# KiCad board Keyboard.kicad_pcb (continued)
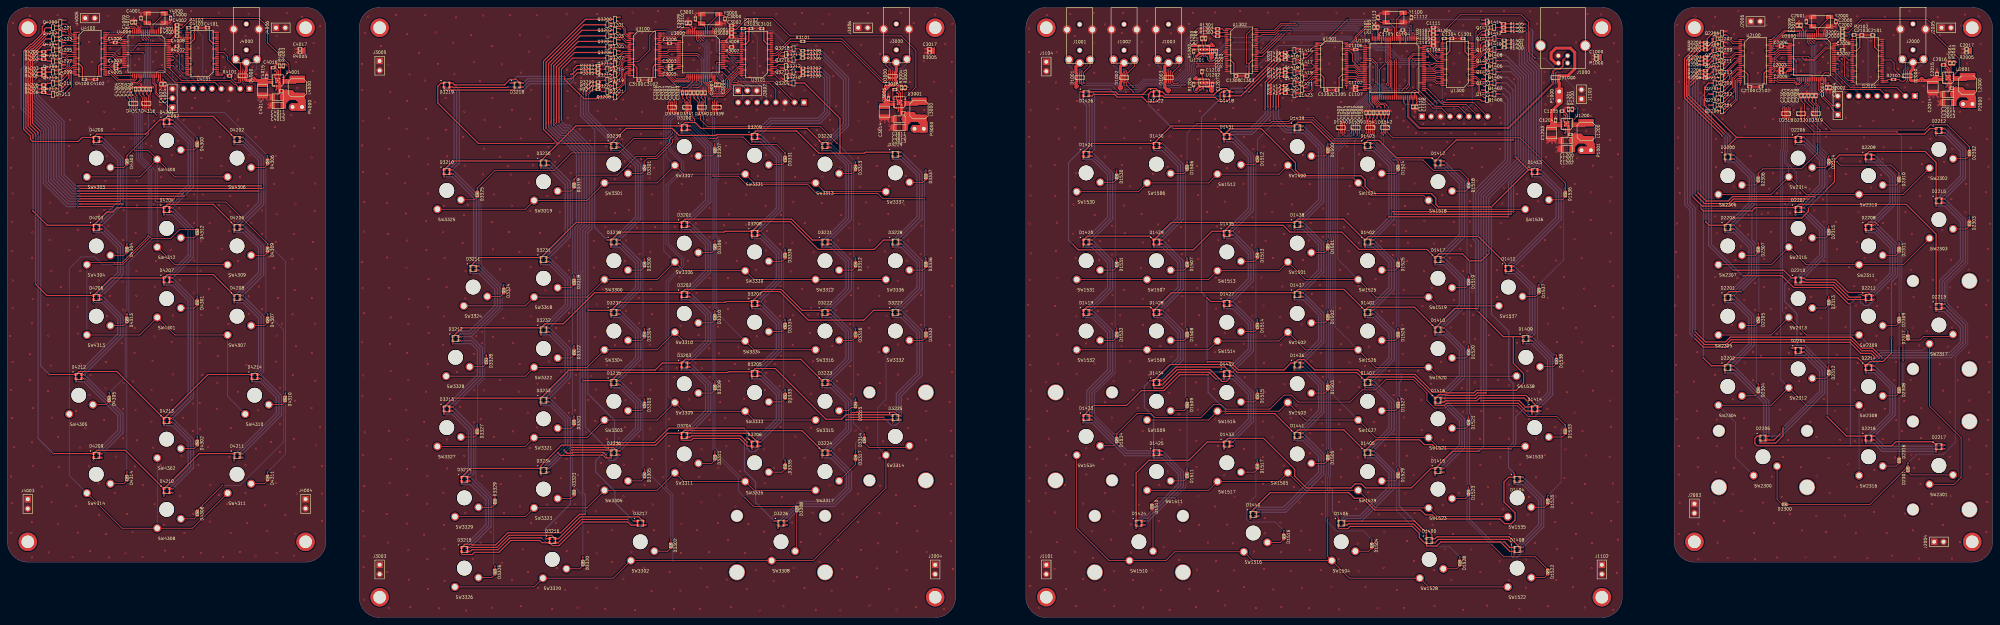
[diagram p0: board, top side]
## Routing (per net, layer and track width the routed paths; a pad name or vN(x,y) marks a point on that pad's centre or on a via; arc(x,y) is an arc through that point) (continued)
/Keyboard-Left/LedMatrix-Left/LR12: length 9.3
  Top w0.2: U3100.22 167.1,147.55 166.55,147 166.55,144.3 164.05,141.8 Q3221.1
/Keyboard-Left/LedMatrix-Left/LR12_X3: length 244.6
  Top w0.3: v1(146.35,97.35) D3231.2 ; v1(165.35,102.1) D3238.2 ; v1(146.35,59.35) D3233.2 ; R3211.1 158,142.8 v1(156.9,141.7) ; v1(152,46) 163.6,46 D3236.2 v1(165.35,45.1) ; v1(146.35,123.47) D3230.2 ; v1(165.35,64.1) D3235.2 ; v1(146.35,40.35) D3234.2 ; v1(146.35,78.35) D3232.2 ; v1(165.35,128.22) D3239.2 ; v1(165.35,83.1) D3237.2
  Bottom w0.3: v1(146.35,40.35) v1(152,46) 152,53.7 v1(146.35,59.35) 152,65 152,72.7 v1(146.35,78.35) 152,84 152,91.7 v1(146.35,97.35) 152,103 152,117.83 v1(146.35,123.47) ; v1(156.9,141.7) 156.9,136.57 165.25,128.22 v1(165.35,128.22) 171,122.58 171,107.75 v1(165.35,102.1) 171,96.45 171,88.75 v1(165.35,83.1) 171,77.45 171,69.75 v1(165.35,64.1) 171,58.45 171,50.75 v1(165.35,45.1)
/Keyboard-Left/SHIELD_3: length 622
  Top w0.2: 249.5,152.77 249.52,152.75 ; 250.25,153.23 v2(250.27,153.25)
  Top w0.4: C3017.1 250.02,153.75 v2(250.27,154) v2(250.27,152.5) 250.02,152.75 249.52,152.75 249.77,152.75 250.02,153 ; C3017.1 249.5,152.77 ; C3017.1 249.5,153.52 250.02,153 ; C3017.1 249.77,153.75 v2(250.27,153.25) 250.02,153
  In2.Cu w0.2: 160,159.5 X3000.1 98.5,157.5 98.5,7.5 X3003.1 X3002.1 253,8 253,149.77 v2(250.27,152.5) v2(250.27,154) 250.27,159.27 X3001.1 247.5,162.5 185,162.5 184.5,163 163.5,163 160,159.5
/Keyboard-Navblock/CPU-Navblock/JTAG_RST: length 12.5
  Top w0.2: U4000.56 v2(44.65,152.25)
  Bottom w0.2: v2(44.65,152.25) 44.65,151.7 44.1,151.15 44.1,148.15 44.67,147.57 44.67,145.18 46.85,143 J4001.8
/Keyboard-Navblock/CPU-Navblock/JTAG_TCK: length 21.7
  Top w0.2: J4001.2 61.74,144.1 61.3,144.1 60.2,145.2 47.05,145.2 U4000.49
/Keyboard-Navblock/CPU-Navblock/JTAG_TDI: length 9.7
  Top w0.2: U4000.50 v2(44.7,149.25)
  Bottom w0.2: v2(44.7,149.25) 50.15,143.8 50.15,143
/Keyboard-Navblock/CPU-Navblock/JTAG_TDO: length 13.3
  Top w0.2: U4000.55 44.75,151.75 v2(45.1,151.4)
  Bottom w0.2: J4001.6 48.55,147.13 48.55,147.95 v2(45.1,151.4)
/Keyboard-Navblock/CPU-Navblock/JTAG_TMS: length 20.7
  Top w0.2: 40.3,146.5 40.3,147.5 40.8,148 42.05,148 45.3,144.75 56.01,144.75 J4001.4
/Keyboard-Navblock/CPU-Navblock/LC1: length 10.1
  Top w0.2: 26.55,157.75 30.44,157.75 32.44,159.75 34.3,159.75 34.8,159.25 U4000.14
/Keyboard-Navblock/CPU-Navblock/LC2: length 9.7
  Top w0.2: U4000.15 34.3,159.18 34.13,159.35 32.65,159.35 30.55,157.25 26.3,157.25
/Keyboard-Navblock/CPU-Navblock/LC3: length 8.4
  Top w0.2: U4000.16 32.5,158.45 30.85,156.8 27.52,156.8 26.97,156.25 26.3,156.25
/Keyboard-Navblock/CPU-Navblock/LC4: length 5.5
  Top w0.2: U4000.17 27.54,156.25 27.04,155.75 26.3,155.75
/Keyboard-Navblock/CPU-Navblock/LC5: length 5.2
  Top w0.2: U4000.20 U4100.41
/Keyboard-Navblock/CPU-Navblock/LR1: length 5.5
  Top w0.2: 26.55,152.75 28.8,152.75 29.8,151.75 U4000.26
/Keyboard-Navblock/CPU-Navblock/LR2: length 5.5
  Top w0.2: 26.55,152.25 28.55,152.25 29.55,151.25 U4000.27
/Keyboard-Navblock/CPU-Navblock/LR3: length 5.5
  Top w0.2: 26.55,151.75 28.3,151.75 29.3,150.75 U4000.28
/Keyboard-Navblock/CPU-Navblock/LR4: length 18.8
  Top w0.2: U4000.61 35.85,154.75 v2(35.8,154.7) ; 26.4,150.75 27.3,150.75 v2(27.6,151.05)
  Bottom w0.2: v2(35.8,154.7) 31.25,154.7 v2(27.6,151.05)
/Keyboard-Navblock/CPU-Navblock/LR5: length 19.2
  Top w0.2: U4100.32 27.5,150.25 v2(27.6,150.35) ; v2(34.3,154.05) 35.5,155.25 U4000.62
  Bottom w0.2: v2(27.6,150.35) 30.6,150.35 v2(34.3,154.05)
/Keyboard-Navblock/CPU-Navblock/LR6: length 5.5
  Top w0.2: 26.55,149.25 27.41,149.25 28.41,150.25 U4000.29
/Keyboard-Navblock/CPU-Navblock/LR7: length 8.2
  Top w0.2: 26.55,148.75 27.41,148.75 29.61,146.55 U4000.33
/Keyboard-Navblock/CPU-Navblock/LR8: length 9.8
  Top w0.2: 26.3,147.75 27.8,147.75 30.05,145.5 34.05,145.5 34.3,145.75 U4000.34
/Keyboard-Navblock/CPU-Navblock/LR9: length 10.5
  Top w0.2: U4000.35 34.8,145.6 34.3,145.1 29.7,145.1 27.55,147.25 26.3,147.25
/Keyboard-Navblock/CPU-Navblock/LV_EN: length 55.7
  Top w0.2: v2(45.1,152.75) U4000.57 ; v2(27.4,146.65) 26.4,146.65 26.35,146.7 ; R4102.2 48.47,158.28 U4101.25 v2(49.6,158.25) ; v2(27.55,158.25) U4100.48 ; v2(49.7,146.75) U4101.48
  Bottom w0.2: 48.5,152.75 48.5,150.95 48.95,150.5 48.95,147.5 v2(49.7,146.75) ; 48.5,152.75 v2(45.1,152.75) 39.6,158.25 v2(27.55,158.25) 26.25,156.95 26.25,147.8 v2(27.4,146.65) ; 48.5,152.75 48.5,157.15 v2(49.6,158.25)
/Keyboard-Navblock/CPU-Navblock/nRST: length 34.9
  Top w0.2: C4002.2 R4001.2 R4000.2 45.3,158.75 v2(44.75,158.75) 43.05,158.75 41.55,157.25 38.7,157.25 38.3,157.65 U4000.7
  Bottom w0.2: J4001.5 52.75,145.47 52.75,157.15 51.15,158.75 v2(44.75,158.75)
/Keyboard-Navblock/CPU-Navblock/PG: length 42.8
  Top w0.2: U4001.4 76,147.5 76,149.65 70.25,155.4 70.25,159.75 68,162 49.75,162 47,159.25 R4001.1
/Keyboard-Navblock/CPU-Navblock/UART6_RX4: length 9.7
  Top w0.2: U4000.45 39.8,144.5 40.3,144 40.3,141.9 41.76,140.44 J4002.2
/Keyboard-Navblock/CPU-Navblock/UART6_TX4: length 11.3
  Top w0.2: U4000.44 39.3,144.4 39.9,143.8 39.9,141.7 43.7,137.9 J4002.1
/Keyboard-Navblock/CPU-Navblock/USART1_RX: length 5.4
  Top w0.2: U4000.59 45.45,153.75 46.45,152.75 U4101.36
/Keyboard-Navblock/CPU-Navblock/USART1_TX: length 9.8
  Top w0.2: U4000.58 45.35,153.25 46.4,152.2 46.4,148.2 47.35,147.25 U4101.47
/Keyboard-Navblock/KeyMatrix-Navblock/KC1: length 122.4
  Top w0.2: v2(34.4,126.25) 38.13,126.25 SW4300.1 ; SW4300.1 35.71,119.17 SW4303.1 ; SW4300.1 45.21,119.17 SW4306.1 ; v2(32.9,137.6) 33,137.7 D4317.1 D4317.10 33,140.2 v2(32.5,140.7) ; SW4309.1 45.21,95.42 SW4312.1 ; v2(33.3,151.9) 32.95,152.25 U4000.25
  Bottom w0.2: v2(32.9,137.6) 32.9,136.95 34.4,135.45 v2(34.4,126.25) ; v2(32.5,140.7) 33.3,141.5 v2(33.3,151.9) ; SW4312.1 SW4300.1
/Keyboard-Navblock/KeyMatrix-Navblock/KC2: length 151.7
  Top w0.2: v2(33.5,137.1) 33.4,137.2 33.4,137.8 33.5,137.9 D4317.2 D4317.9 33.5,140.2 33.4,140.3 33.4,141.3 32.9,141.8 32.9,143.9 33.7,144.7 35.1,144.7 35.8,145.4 U4000.37 ; v2(38,103.25) 38,103.05 31,96.05 22.09,96.05 SW4304.1 ; SW4313.1 35.71,76.42 SW4301.1 45.21,76.42 SW4307.1
  Bottom w0.2: SW4307.1 59.46,59.79 SW4310.1 ; v2(38,103.25) 38,120.75 34.9,123.85 34.9,135.7 v2(33.5,137.1) ; SW4304.1 SW4313.1
/Keyboard-Navblock/KeyMatrix-Navblock/KC3: length 202.6
  Top w0.2: v2(34.5,137.1) 34.6,137.2 34.6,137.8 34.5,137.9 D4317.4 D4317.7 34.5,140.1 34.6,140.2 34.6,140.7 33.3,142 33.3,143.7 33.9,144.3 35.3,144.3 36.3,145.3 U4000.38 ; SW4311.1 49.96,24.17 SW4308.1 30.96,24.17 SW4314.1 ; v2(28.9,95.55) 31.2,95.55 v2(38.5,102.85)
  Bottom w0.2: SW4314.1 16.71,38.42 SW4305.1 16.71,94.36 19.9,97.55 23.6,97.55 25.6,95.55 v2(28.9,95.55) ; v2(38.5,102.85) 38.5,120.95 35.4,124.05 35.4,136.2 v2(34.5,137.1) ; SW4302.1 SW4308.1
/Keyboard-Navblock/KeyMatrix-Navblock/KR1: length 121.6
  Top w0.2: U4000.8 37.8,157.35 v2(38.3,156.85) ; v2(51.25,86.9) D4301.1 ; 38.6,142.35 v2(38.6,141.55) 38.5,141.45 D4316.6 D4316.5 38.5,137.7 v2(40.25,135.95) ; D4302.1 v2(51.25,48.9) ; v2(51.25,129.65) D4300.1
  Bottom w0.2: v2(40.25,135.95) 44.95,135.95 v2(51.25,129.65) v2(51.25,86.9) v2(51.25,48.9) ; v2(38.3,156.85) 38.6,156.55 v2(38.6,141.55)
/Keyboard-Navblock/KeyMatrix-Navblock/KR2: length 106.6
  Top w0.2: v2(27.5,60.8) D4305.1 ; v2(38.1,156.25) 37.3,157.05 U4000.9 ; v2(38.1,137.1) 38.1,137.9 38,138 D4316.4 D4316.7 38,140.2 38.1,140.3 38.1,141.05 v2(37.6,141.55) 37.6,142.35 ; D4303.1 v2(32.25,124.9) v2(38.1,130.75) ; v2(32.25,101.15) D4304.1
  Bottom w0.2: v2(32.25,124.9) v2(32.25,101.15) 32.25,83.35 31.8,82.9 31.8,65.1 v2(27.5,60.8) ; v2(38.1,156.25) 38.2,156.15 38.2,142.15 v2(37.6,141.55) ; v2(38.1,137.1) v2(38.1,130.75)
/Keyboard-Navblock/KeyMatrix-Navblock/KR3: length 174
  Top w0.2: D4308.1 v2(58.05,35.75) ; v2(37.45,156.15) 36.8,156.8 U4000.10 ; v2(38.9,136.55) 37.7,136.55 36.9,137.35 36.9,137.9 37,138 D4316.2 D4316.9 37,140.1 36.9,140.2 36.9,141.25 v2(36.6,141.55) 36.6,142.35 ; v2(70.25,82.15) D4307.1 ; v2(70.25,124.9) D4306.1
  Bottom w0.2: v2(37.45,156.15) 37.8,155.8 37.8,142.75 v2(36.6,141.55) ; v2(58.05,35.75) 62.8,35.75 74.6,47.55 74.6,77.8 v2(70.25,82.15) 69.8,82.6 69.8,124.45 v2(70.25,124.9) 58.6,136.55 v2(38.9,136.55)
/Keyboard-Navblock/KeyMatrix-Navblock/KR4: length 153.3
  Top w0.2: D4311.1 v2(70.25,39.4) ; v2(75.1,60.75) 75,60.65 D4310.1 ; 35.6,142.35 v2(35.6,141.55) 36.5,140.65 D4316.10 D4316.1 36.5,137.7 v2(36.4,137.6) ; v2(39.9,112.65) 40.2,112.35 59,112.35 v2(70.3,101.05) 70.25,101 D4309.1 ; U4000.11 36.3,156.55 v2(36.7,156.15)
  Bottom w0.2: v2(36.7,156.15) 37.4,155.45 37.4,143.35 v2(35.6,141.55) ; v2(70.3,101.05) 70.35,101.05 75.1,96.3 v2(75.1,60.75) 75.1,44.25 v2(70.25,39.4) ; v2(39.9,112.65) 39.9,120.95 36.4,124.45 v2(36.4,137.6)
/Keyboard-Navblock/KeyMatrix-Navblock/KR5: length 140.1
  Top w0.2: D4312.1 46.5,104.95 44,102.45 v2(39,102.45) ; v2(35.1,137.6) 35,137.7 D4317.5 D4317.6 35,141.15 v2(34.6,141.55) 34.6,142.35 ; D4313.1 32.25,82.05 v2(32.3,82.1) ; U4000.24 v2(36.6,152.75) ; D4314.1 v2(32.25,39.4)
  Bottom w0.2: v2(32.25,39.4) 32.25,82.05 v2(32.3,82.1) 32.8,82.6 32.8,96.25 v2(39,102.45) 39,121.15 35.9,124.25 35.9,136.8 v2(35.1,137.6) ; v2(36.6,152.75) 37,152.35 37,143.95 v2(34.6,141.55)
/Keyboard-Navblock/LedMatrix-Navblock/LC1: length 5.1
  Top w0.2: U4100.2 17.45,157.75 17.1,158.1 17.1,159.3 15.9,160.5 Q4200.1
/Keyboard-Navblock/LedMatrix-Navblock/LC1_X4: length 98.7
  Top w0.3: D4202.1 55.55,135.55 43.2,135.55 D4201.1 41.15,134.6 37.3,130.75 24.15,130.75 D4200.1 20.2,129.85 19.1,128.75 6.8,128.75 6.2,129.35 6.2,130.25 4.4,132.05 4.4,153.2 6.2,155 6.5,155 9.4,157.9 9.4,159.8 10.6,161 Q4200.3
/Keyboard-Navblock/LedMatrix-Navblock/LC2: length 6.4
  Top w0.2: U4100.3 17.25,157.25 16.6,157.9 16.6,158.6 16.2,159 Q4201.1
/Keyboard-Navblock/LedMatrix-Navblock/LC2_X4: length 114.6
  Top w0.3: v1(6.9,109.95) 10.75,106.1 D4203.1 26.8,109.65 28.5,109.65 29.7,110.85 D4204.1 43.15,111.75 55.6,111.75 D4205.1 ; v1(6.9,129.65) 6.9,130.55 5,132.45 5,153 6.4,154.4 6.7,154.4 10,157.7 10,159.1 10.4,159.5 Q4201.3
  Bottom w0.3: v1(6.9,129.65) v1(6.9,109.95)
/Keyboard-Navblock/LedMatrix-Navblock/LC3: length 3.8
  Top w0.2: U4100.5 17.55,156.25 16.3,157.5 Q4202.1
/Keyboard-Navblock/LedMatrix-Navblock/LC3_X4: length 133.3
  Top w0.3: Q4202.3 11.1,158 6.9,153.8 6.6,153.8 5.6,152.8 5.6,132.85 7.6,130.85 v1(7.6,130.25) ; D4208.1 55.6,92.75 43.15,92.75 D4207.1 28,91.85 D4206.1 10.65,87.1 v1(7.6,90.15)
  Bottom w0.3: v1(7.6,130.25) v1(7.6,90.15)
/Keyboard-Navblock/LedMatrix-Navblock/LC4: length 5.4
  Top w0.2: Q4203.1 17.1,156 17.35,155.75 U4100.6
/Keyboard-Navblock/LedMatrix-Navblock/LC4_X4: length 175.3
  Top w0.3: v1(12.4,44.35) D4209.1 24.15,45.25 31.85,45.25 D4210.1 51.75,44.35 D4211.1 ; Q4203.3 10.4,156.5 7.1,153.2 6.9,153.2 6.2,152.5 6.2,133.25 8.3,131.15 v1(8.3,130.85)
  Bottom w0.3: v1(8.3,130.85) 8.3,48.45 v1(12.4,44.35)
/Keyboard-Navblock/LedMatrix-Navblock/LC5: length 3.4
  Top w0.2: Q4204.1 15.2,154.75 U4100.8
/Keyboard-Navblock/LedMatrix-Navblock/LC5_X4: length 161.6
  Top w0.3: v1(9,131.45) 6.8,133.65 6.8,152.3 7.2,152.7 7.4,152.7 9.7,155 Q4204.3 ; v1(11.3,65.75) 11.33,65.72 D4212.1 19.33,66.55 29.55,66.55 D4213.1 54.12,65.72 D4214.1
  Bottom w0.3: v1(11.3,65.75) 9,68.05 v1(9,131.45)
/Keyboard-Navblock/LedMatrix-Navblock/LR1: length 5.4
  Top w0.2: U4100.12 17.65,152.75 17.4,153 Q4205.1
/Keyboard-Navblock/LedMatrix-Navblock/LR1_X4: length 182.7
  Top w0.3: v1(19,111.15) v1(28.6,111.15) ; v1(23.25,104.2) D4203.4 ; D4200.4 v1(23.25,127.95) ; R4200.1 8.5,153 v1(7.5,152) ; v1(23.25,42.45) D4209.4 ; v1(18.5,63.83) D4212.4 ; v1(23.25,85.2) D4206.4
  Bottom w0.3: v1(19,111.15) 16,111.15 9.7,117.45 9.7,131.75 3.7,137.75 3.7,148.2 v1(7.5,152) ; v1(23.25,127.95) 25.5,127.95 29.8,123.65 29.8,112.35 v1(28.6,111.15) 23.25,105.8 v1(23.25,104.2) 25.55,104.2 29.8,99.95 29.8,93.35 23.25,86.8 v1(23.25,85.2) 25.45,85.2 29.8,80.85 29.8,76.75 18.5,65.45 v1(18.5,63.83) 20.62,63.83 29.8,54.65 29.8,50.65 23.25,44.1 v1(23.25,42.45)
/Keyboard-Navblock/LedMatrix-Navblock/LR2: length 3.6
  Top w0.2: Q4206.1 15.7,151.5 16.45,152.25 U4100.13
/Keyboard-Navblock/LedMatrix-Navblock/LR2_X4: length 172.8
  Top w0.3: R4201.1 v1(8.5,152) ; D4203.3 v1(25.6,105) ; D4206.3 v1(25.6,86) ; D4212.3 v1(20.85,64.62) ; D4209.3 v1(25.6,43.25) ; v1(19,112.55) v1(30.5,112.55) ; v1(25.6,128.75) D4200.3
  Bottom w0.3: v1(25.6,43.25) 24.9,43.95 24.9,44.75 30.5,50.35 30.5,54.97 v1(20.85,64.62) 20.2,65.28 20.2,66.15 30.5,76.45 30.5,81.1 v1(25.6,86) 24.9,86.7 24.9,87.45 30.5,93.05 30.5,100.25 25.75,105 v1(25.6,105) 24.95,105.65 24.95,106.5 30.5,112.05 v1(30.5,112.55) 30.5,123.95 25.7,128.75 v1(25.6,128.75) ; v1(8.5,152) 8.5,151.1 4.9,147.5 4.9,138.55 11.1,132.35 11.1,118.05 16.6,112.55 v1(19,112.55)
/Keyboard-Navblock/LedMatrix-Navblock/LR3: length 6
  Top w0.2: Q4207.1 14.8,150 16.55,151.75 U4100.14
/Keyboard-Navblock/LedMatrix-Navblock/LR3_X4: length 174.4
  Top w0.3: R4202.1 v1(7.5,151) ; v1(25.6,87.1) D4206.2 ; v1(25.6,106.1) D4203.2 ; v1(25.6,44.35) D4209.2 ; v1(19.5,111.85) v1(31.2,111.85) ; D4200.2 v1(25.6,129.85) ; v1(20.85,65.72) D4212.2
  Bottom w0.3: v1(7.5,151) 4.3,147.8 4.3,138.15 10.4,132.05 10.4,117.75 16.3,111.85 v1(19.5,111.85) ; v1(25.6,129.85) 31.2,124.25 v1(31.2,111.85) 31.2,111.7 v1(25.6,106.1) 31.2,100.5 31.2,92.7 v1(25.6,87.1) 25.6,86.95 31.2,81.35 31.2,76.15 20.85,65.8 v1(20.85,65.72) 20.85,65.6 31.2,55.25 31.2,49.95 v1(25.6,44.35)
/Keyboard-Navblock/LedMatrix-Navblock/LR4: length 4.9
  Top w0.2: U4100.16 16.75,150.75 16.3,150.3 16.3,149.2 15.6,148.5 Q4208.1
/Keyboard-Navblock/LedMatrix-Navblock/LR4_X4: length 200.8
  Top w0.3: v1(42.25,32.95) D4210.4 ; v1(42.25,132.7) D4201.4 ; v1(42.25,51.95) D4213.4 ; R4203.1 v1(8.5,148.5) ; v1(19.5,113.25) v1(45,113.25) ; v1(42.25,108.95) D4204.4 ; v1(42.25,89.95) D4207.4
  Bottom w0.3: v1(42.25,132.7) 44.45,132.7 48.8,128.35 48.8,117.05 v1(45,113.25) 42.25,110.5 v1(42.25,108.95) 44.5,108.95 48.8,104.65 48.8,98.05 42.25,91.5 v1(42.25,89.95) 44.5,89.95 48.8,85.65 48.8,60.05 42.25,53.5 v1(42.25,51.95) 44.5,51.95 48.8,47.65 48.8,41.05 42.25,34.5 v1(42.25,32.95) ; v1(8.5,148.5) 5.5,145.5 5.5,138.95 11.8,132.65 11.8,118.35 16.9,113.25 v1(19.5,113.25)
/Keyboard-Navblock/LedMatrix-Navblock/LR5: length 7.2
  Top w0.2: U4100.17 17.05,150.25 16.7,149.9 16.7,149 15.4,147.7 14.8,147.7 14.1,147 Q4209.1
/Keyboard-Navblock/LedMatrix-Navblock/LR5_X4: length 191.6
  Top w0.3: D4201.3 v1(44.6,133.5) ; D4210.3 v1(44.6,33.75) ; D4213.3 v1(44.6,52.75) ; R4204.1 8.4,147.5 7.7,146.8 v1(7.7,145.8) ; v1(19.5,114.65) v1(47.4,114.65) ; D4204.3 v1(44.6,109.75) ; D4207.3 v1(44.6,90.75)
  Bottom w0.3: v1(44.6,133.5) 44.65,133.5 49.5,128.65 49.5,116.75 v1(47.4,114.65) 43.9,111.15 43.9,110.45 v1(44.6,109.75) 44.7,109.75 49.5,104.95 49.5,97.75 43.9,92.15 43.9,91.45 v1(44.6,90.75) 44.7,90.75 49.5,85.95 49.5,59.75 43.9,54.15 43.9,53.45 v1(44.6,52.75) 44.7,52.75 49.5,47.95 49.5,40.75 43.9,35.15 43.9,34.45 v1(44.6,33.75) ; v1(19.5,114.65) 17.5,114.65 13.2,118.95 13.2,133.25 6.7,139.75 6.7,144.8 v1(7.7,145.8)
/Keyboard-Navblock/LedMatrix-Navblock/LR6: length 5.5
  Top w0.2: Q4210.1 16.1,146.65 16.1,147.8 17.55,149.25 U4100.19
/Keyboard-Navblock/LedMatrix-Navblock/LR6_X4: length 192.6
  Top w0.3: v1(44.6,91.85) D4207.2 ; v1(44.6,134.6) D4201.2 ; v1(44.6,53.85) D4213.2 ; v1(44.6,110.85) D4204.2 ; v1(19,113.95) v1(47.7,113.95) ; v1(44.6,34.85) D4210.2 ; R4205.1 v1(8.5,146.5)
  Bottom w0.3: v1(44.6,34.85) 50.2,40.45 50.2,48.25 v1(44.6,53.85) 50.2,59.45 50.2,86.25 v1(44.6,91.85) 50.2,97.45 50.2,105.25 v1(44.6,110.85) v1(47.7,113.95) 50.2,116.45 50.2,129 v1(44.6,134.6) ; v1(19,113.95) 17.2,113.95 12.5,118.65 12.5,132.95 6.1,139.35 6.1,145.1 7.5,146.5 v1(8.5,146.5)
/Keyboard-Navblock/LedMatrix-Navblock/LR7: length 8.3
  Top w0.2: U4100.20 17.65,148.75 16.5,147.6 16.5,145.9 14.6,144 Q4211.1
/Keyboard-Navblock/LedMatrix-Navblock/LR7_X4: length 200.9
  Top w0.3: v1(61.25,104.2) D4205.4 ; v1(61.25,85.2) D4208.4 ; R4206.1 v1(8.5,144) ; v1(66,63.83) D4214.4 ; v1(61.25,42.45) D4211.4 ; v1(61.25,127.95) D4202.4 ; v1(19,115.35) v1(67.8,115.35)
  Bottom w0.3: v1(8.5,144) 7.3,142.8 7.3,140.15 13.9,133.55 13.9,119.25 17.8,115.35 v1(19,115.35) ; v1(61.25,127.95) 63.5,127.95 67.8,123.65 v1(67.8,115.35) 67.8,112.35 61.25,105.8 v1(61.25,104.2) 63.55,104.2 67.8,99.95 67.8,93.35 61.25,86.8 v1(61.25,85.2) 63.55,85.2 67.8,80.95 67.8,67.15 66,65.35 v1(66,63.83) 68.22,63.83 72.6,59.45 72.6,55.35 61.25,44 v1(61.25,42.45)
/Keyboard-Navblock/LedMatrix-Navblock/LR8: length 7.2
  Top w0.2: U4100.22 17.25,147.75 16.9,147.4 16.9,144.45 Q4212.1
/Keyboard-Navblock/LedMatrix-Navblock/LR8_X4: length 190
  Top w0.3: R4207.1 v1(8.5,143) ; D4211.3 v1(63.6,43.25) ; v1(19,116.75) v1(68.5,116.75) ; D4208.3 v1(63.6,86) ; D4202.3 v1(63.6,128.75) ; D4214.3 v1(68.35,64.62) ; D4205.3 v1(63.6,105)
  Bottom w0.3: v1(63.6,43.25) 62.9,43.95 62.9,44.65 73.3,55.05 73.3,59.75 68.42,64.62 v1(68.35,64.62) 67.6,65.38 67.6,65.95 68.5,66.85 68.5,81.25 63.75,86 v1(63.6,86) 62.8,86.8 62.8,87.35 68.5,93.05 68.5,100.25 63.75,105 v1(63.6,105) 62.9,105.7 62.9,106.45 68.5,112.05 v1(68.5,116.75) 68.5,123.95 63.7,128.75 v1(63.6,128.75) ; v1(19,116.75) 18.4,116.75 15.3,119.85 15.3,134.15 8.5,140.95 v1(8.5,143)
/Keyboard-Navblock/LedMatrix-Navblock/LR9: length 10
  Top w0.2: U4100.23 17.5,147.25 17.3,147.05 17.3,143.5 14.8,141 Q4213.1
/Keyboard-Navblock/LedMatrix-Navblock/LR9_X4: length 191
  Top w0.3: v1(68.35,65.72) D4214.2 ; v1(63.6,44.35) D4211.2 ; v1(63.6,106.1) D4205.2 ; v1(63.6,87.1) D4208.2 ; v1(69.2,116.05) v1(19.5,116.05) ; R4208.1 v1(7.9,142) ; v1(63.6,129.85) D4202.2
  Bottom w0.3: v1(19.5,116.05) 18.1,116.05 14.6,119.55 14.6,133.85 7.9,140.55 v1(7.9,142) ; v1(63.6,44.35) 74,54.75 74,60.07 v1(68.35,65.72) 69.2,66.58 69.2,81.5 v1(63.6,87.1) 69.2,92.7 69.2,100.5 v1(63.6,106.1) 69.2,111.7 v1(69.2,116.05) 69.2,124.25 v1(63.6,129.85)
/Keyboard-Navblock/SHIELD_4: length 444.9
  Top w0.2: 80.25,153.27 v2(80.27,153.29) ; 79.5,152.81 79.52,152.79
  Top w0.4: 80.02,153.04 v2(80.27,153.29) 79.77,153.79 79.5,153.79 ; 80.02,153.04 79.77,152.79 79.52,152.79 80.02,152.79 v2(80.27,152.54) v2(80.27,154.04) 80.02,153.79 79.5,153.79 ; 80.02,153.04 79.5,153.56 79.5,153.79 ; 79.5,153.79 79.5,152.81
  In2.Cu w0.2: 5.5,38.4 X4000.1 9.75,163.75 29.5,163.75 29.95,163.3 34,163.3 35.05,162.25 77.75,162.25 X4001.1 80.5,154.27 v2(80.27,154.04) v2(80.27,152.54) 81.8,151.01 81.8,136.4 80.27,134.87 80.27,39.13 83.2,36.2 83.2,23.2 X4002.1 X4003.1 2.5,23.5 2.5,35.4 5.5,38.4
/Keyboard-Numblock/CPU-Numblock/JTAG_RST: length 13.1
  Top w0.2: U2000.56 v2(494.29,151.29)
  Bottom w0.2: v2(494.29,151.29) 494.29,150.74 493.74,150.19 493.74,144.54 J2001.8
/Keyboard-Numblock/CPU-Numblock/JTAG_TCK: length 22.1
  Top w0.2: 512.44,141.04 510.19,143.29 497.64,143.29 U2000.49
/Keyboard-Numblock/CPU-Numblock/JTAG_TDI: length 10.7
  Top w0.2: U2000.50 v2(494.34,148.29)
  Bottom w0.2: 499.79,141.04 499.79,141.84 494.34,147.29 v2(494.34,148.29)
/Keyboard-Numblock/CPU-Numblock/JTAG_TDO: length 14.3
  Top w0.2: U2000.55 494.39,150.79 v2(494.74,150.44)
  Bottom w0.2: J2001.6 498.19,145.17 498.19,146.99 v2(494.74,150.44)
/Keyboard-Numblock/CPU-Numblock/JTAG_TMS: length 21.4
  Top w0.2: J2001.4 505.65,142.79 496.23,142.79 491.71,147.3 490.7,147.3 489.94,146.54 489.94,145.54
/Keyboard-Numblock/CPU-Numblock/LC1: length 19.8
  Top w0.2: v2(484.69,151.29) 485.44,150.54 487.79,150.54 491.04,153.79 U2000.61 ; v2(479.69,150.29) 478.09,150.29 476.59,148.79 U2100.33
  Bottom w0.2: v2(479.69,150.29) 481.59,150.29 482.59,151.29 v2(484.69,151.29)
/Keyboard-Numblock/CPU-Numblock/LC2: length 19.8
  Top w0.2: v2(485.59,151.14) 485.79,150.94 487.59,150.94 490.94,154.29 U2000.62 ; U2100.32 476.69,148.29 478.19,149.79 v2(480.04,149.79)
  Bottom w0.2: v2(485.59,151.14) 485.24,150.79 482.69,150.79 481.69,149.79 v2(480.04,149.79)
/Keyboard-Numblock/CPU-Numblock/LC3: length 6.3
  Top w0.2: U2100.30 476.69,147.29 477,147.6 477,148 478.29,149.29 U2000.29
/Keyboard-Numblock/CPU-Numblock/LC4: length 7.9
  Top w0.2: U2100.29 477.41,146.79 478.5,145.7 483.33,145.7 U2000.33
/Keyboard-Numblock/CPU-Numblock/LC5: length 9.4
  Top w0.2: U2100.27 477.71,145.79 478.31,145.19 482.44,145.19 483.14,144.49 483.64,144.49 483.94,144.79 U2000.34
/Keyboard-Numblock/CPU-Numblock/LC6: length 10.1
  Top w0.2: U2000.35 484.44,144.69 483.84,144.09 482.94,144.09 482.33,144.7 478.1,144.7 477.51,145.29 U2100.26
/Keyboard-Numblock/CPU-Numblock/LR1: length 10.8
  Top w0.2: U2100.47 476.69,155.79 479.74,158.84 483.99,158.84 484.44,158.39 U2000.14
/Keyboard-Numblock/CPU-Numblock/LR2: length 10.1
  Top w0.2: U2000.15 483.94,158.29 483.79,158.44 479.94,158.44 476.79,155.29 U2100.46
/Keyboard-Numblock/CPU-Numblock/LR3: length 9.5
  Top w0.2: 480.21,157.49 479.59,157.49 476.85,154.75 476.85,154.45 476.69,154.29 U2100.44 ; 480.21,157.49 479.67,157.49 ; 480.21,157.49 U2000.16
/Keyboard-Numblock/CPU-Numblock/LR4: length 6
  Top w0.2: v2(480,155.5) 480.21,155.29 U2000.17 ; v2(477.1,153.9) 476.99,153.79 U2100.43
  Bottom w0.2: v2(480,155.5) 479.6,155.5 478,153.9 v2(477.1,153.9)
/Keyboard-Numblock/CPU-Numblock/LR5: length 5.7
  Top w0.2: U2100.41 477.09,152.79 478.09,153.79 U2000.20
/Keyboard-Numblock/CPU-Numblock/LR6: length 5.7
  Top w0.2: U2100.40 477.29,152.29 478.29,153.29 U2000.21
/Keyboard-Numblock/CPU-Numblock/LR7: length 5.9
  Top w0.2: U2100.38 476.99,151.29 478.49,152.79 U2000.22
/Keyboard-Numblock/CPU-Numblock/LR8: length 5.9
  Top w0.2: U2000.23 478.59,152.29 477.09,150.79 U2100.37
/Keyboard-Numblock/CPU-Numblock/LR9: length 15.2
  Top w0.2: U2000.41 487.44,146.49 487.09,146.84 481.56,146.84 v2(481.55,146.85) ; v2(477.8,150.7) 477.39,150.29 U2100.36
  Bottom w0.2: 477.94,150.54 479.34,149.14 479.34,147.36 480,146.7 481.4,146.7 v2(481.55,146.85)
/Keyboard-Numblock/CPU-Numblock/LV_EN: length 56.2
  Top w0.2: v2(494.74,151.79) U2000.57 ; v2(499.34,144.79) U2101.48 ; v2(499.24,156.29) U2101.25 498.12,156.3 R2102.2 ; U2100.48 476.39,156.29 v2(477,156.9) ; U2100.25 477.01,144.79 v2(477.1,144.7)
  Bottom w0.2: v2(499.34,144.79) 498.59,145.54 498.59,148.54 498.14,148.99 498.14,150.79 498.14,151.79 ; v2(499.24,156.29) 498.14,155.19 498.14,151.79 ; 498.14,151.79 v2(494.74,151.79) 489.24,157.29 477.39,157.29 v2(477,156.9) 477,155.2 476.6,154.8 476.6,153.4 477.1,152.9 v2(477.1,144.7)
/Keyboard-Numblock/CPU-Numblock/nRST: length 35.9
  Top w0.2: C2002.2 R2001.2 R2000.2 494.94,157.79 v2(494.39,157.79) 492.69,157.79 491.19,156.29 488.34,156.29 487.94,156.69 U2000.7
  Bottom w0.2: J2001.5 502.39,143.51 502.39,156.19 500.79,157.79 v2(494.39,157.79)
/Keyboard-Numblock/CPU-Numblock/PG: length 43.1
  Top w0.2: R2001.1 497.19,158.29 500.7,161.8 518.28,161.8 520.2,159.88 520.2,157.9 527,151.1 527,148.25 U2001.4
/Keyboard-Numblock/CPU-Numblock/UART6_RX2: length 9.9
  Top w0.2: J2002.2 492.81,138.49 490.3,141 490.3,142 489.44,142.86 U2000.45
/Keyboard-Numblock/CPU-Numblock/UART6_TX2: length 11.8
  Top w0.2: J2002.1 492.6,137.55 492.6,138 489.8,140.8 489.8,141.8 488.94,142.66 U2000.44
/Keyboard-Numblock/CPU-Numblock/USART1_RX: length 5.8
  Top w0.2: U2000.59 495.09,152.79 497.09,150.79 U2101.36
/Keyboard-Numblock/CPU-Numblock/USART1_TX: length 10.8
  Top w0.2: U2101.47 496.99,145.29 496.04,146.24 496.04,151.24 494.99,152.29 U2000.58
/Keyboard-Numblock/KeyMatrix-Numblock/KC1: length 177
  Top w0.2: v2(482.99,150.24) 482.99,150.54 482.24,151.29 U2000.25 ; SW2304.1 476.21,57.42 SW2312.1 485.71,57.42 SW2308.1 ; v2(479.05,134.8) 479.05,134.95 479.25,135.15 D2318.6 D2318.5 479.25,137.7 v2(479.2,137.75)
  Bottom w0.2: v2(482.99,150.24) 482.99,143.39 481.9,142.3 481.9,141.1 479.2,138.4 v2(479.2,137.75) ; SW2300.1 466.6,43.28 466.6,52.78 SW2304.1 ; v2(479.05,134.8) 479.05,126.6 478.8,126.35 478.8,64.33 SW2312.1 ; SW2316.1 SW2308.1
/Keyboard-Numblock/KeyMatrix-Numblock/KC2: length 180.4
  Top w0.2: U2000.37 485.44,144.64 v2(485.24,144.44) ; SW2309.1 485.71,76.42 SW2313.1 476.21,76.42 SW2305.1 ; SW2301.1 525.6,36.04 527.5,37.95 527.5,48.65 518.96,57.19 SW2317.1 ; v2(479.7,138.1) 479.7,137.5 479.75,137.45 D2318.4 D2318.7 479.75,135.25 479.68,135.18 v2(479.68,134.35)
  Bottom w0.2: v2(479.68,134.35) 479.57,134.25 479.57,126.42 479.3,126.15 479.3,82.83 SW2313.1 ; SW2309.1 504.13,72.25 517.16,72.25 SW2317.1 ; v2(479.7,138.1) 482.4,140.8 482.4,142.1 483.3,143 483.8,143 v2(485.24,144.44)
/Keyboard-Numblock/KeyMatrix-Numblock/KC3: length 93.7
  Top w0.2: U2000.38 485.94,144.39 v2(485.39,143.84) ; v2(480.85,134.35) 480.85,135.07 480.75,135.18 D2318.9 D2318.2 480.75,137.45 480.8,137.5 v2(480.8,138.1) ; SW2306.1 476.21,114.42 SW2314.1 485.71,114.42 SW2310.1 511.84,114.42 SW2302.1
  Bottom w0.2: SW2314.1 480.96,121.79 479.8,122.95 479.8,125.95 480.07,126.22 480.07,133.57 v2(480.85,134.35) ; v2(480.8,138.1) 482.9,140.2 482.9,141.9 483.5,142.5 484.05,142.5 v2(485.39,143.84)
/Keyboard-Numblock/KeyMatrix-Numblock/KC4: length 114.6
  Top w0.2: U2000.39 486.44,144.14 v2(486.14,143.84) ; v2(481.45,134.8) 481.45,134.97 481.25,135.18 D2318.10 D2318.1 481.25,137.35 481.3,137.4 v2(481.3,137.75) ; SW2307.1 476.21,95.42 SW2315.1 485.71,95.42 SW2311.1 511.84,95.42 SW2303.1